# KiCad board W1-AT PCB.kicad_pcb (continued)
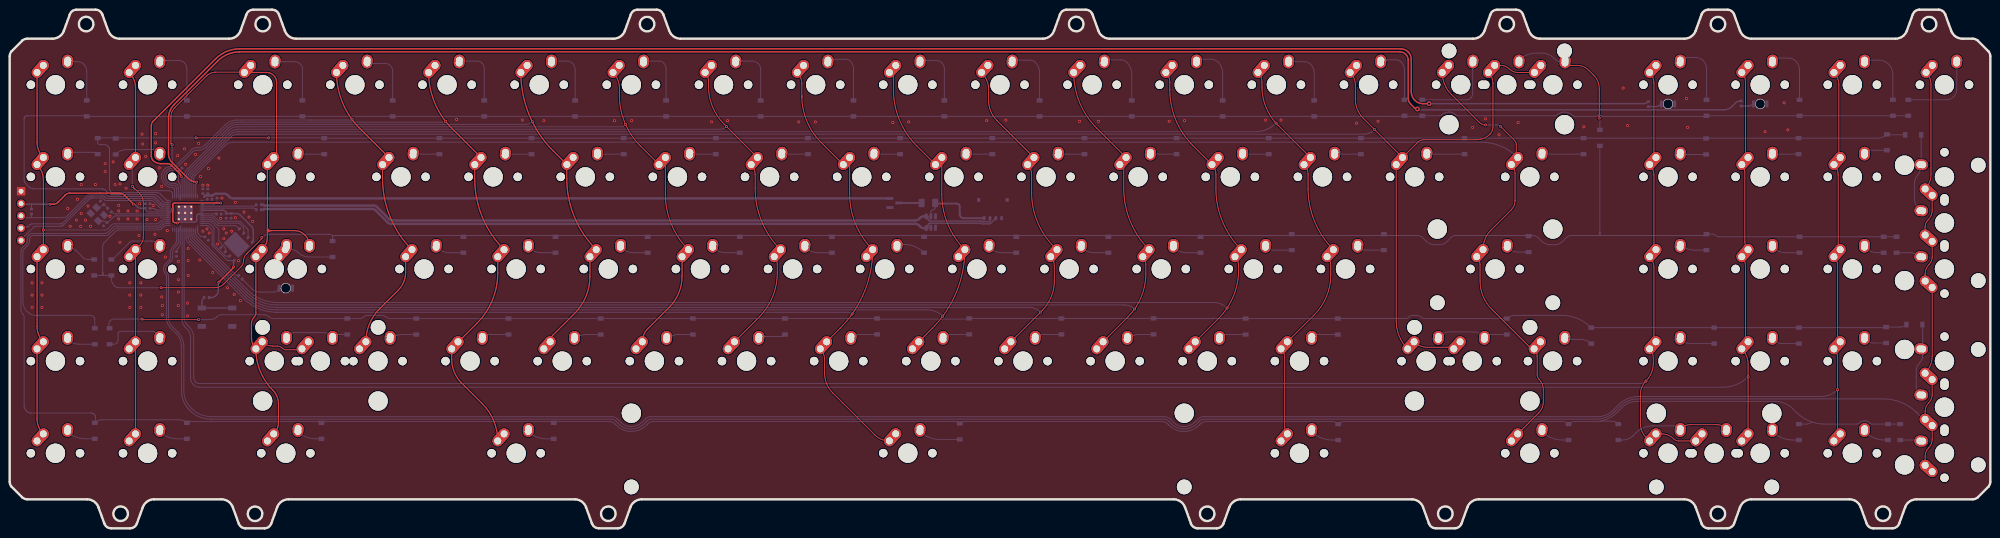
[diagram p0: board, top side]
## Nets
+1V1: C3.1 C6.1 C8.1 U4.23 U4.45 U4.50
+3.3V: C4.1 C5.1 C7.1 C9.1 C10.1 C11.1 C12.1 C13.1 C14.1 J2.2 R6.1 U1.2 U2.8 U4.1 U4.10 U4.22 U4.33 U4.42 U4.43 U4.44 U4.48 U4.49
+5V: F2.1 U1.3
GND: C1.1 C2.1 C3.2 C4.2 C5.2 C6.2 C7.2 C8.2 C9.2 C10.2 C11.2 C12.2 C13.2 C14.2 D92.2 D93.2 D94.2 J2.1 J3.4 SW1.1 U1.1 U2.4 U3.2 U4.19 U4.57 Y1.2 Y1.4
VBUS: F2.2 J3.1 U3.5
/USB_DN: R5.2 U4.46
/USB_DP: R4.2 U4.47
/X_OUT: C2.2 R1.1 Y1.1
CAPSLED: R2.2 U4.2
COL0: SW2.1 SW3.1 SW4.1 SW5.1 SW6.1 U4.18
COL1: SW7.1 SW8.1 SW9.1 SW10.1 SW11.1 U4.29
COL2: SW12.1 SW13.1 SW14.2 SW15.1 SW16.1 SW89.1 SW90.1 U4.30
COL3: SW17.1 SW18.1 SW19.1 SW20.1 U4.31
COL4: SW21.1 SW22.1 SW23.1 SW24.1 SW25.1 U4.32
COL5: SW26.1 SW27.1 SW28.1 SW29.1 U4.35
COL6: SW30.1 SW31.1 SW32.1 SW33.1 U4.36
COL7: SW34.1 SW35.1 SW36.1 SW37.1 U4.37
COL8: SW38.1 SW39.1 SW40.1 SW41.1 SW42.1 U4.7
COL9: SW43.1 SW44.1 SW45.1 SW46.1 U4.6
COL10: SW47.1 SW48.1 SW49.1 SW50.1 U4.5
COL11: SW51.1 SW52.1 SW53.1 SW54.1 U4.4
COL12: SW55.1 SW56.1 SW57.1 SW58.1 U4.3
COL13: SW59.1 SW60.1 SW61.1 SW62.1 SW63.1 U4.38
COL14: SW64.1 SW65.1 SW66.1 SW68.1 SW92.1 SW99.1 U4.39
COL15: SW69.1 SW70.1 SW71.1 SW72.1 SW73.1 U4.40
COL16: SW67.1 SW91.1 SW93.1 SW96.1 SW97.1 SW98.1 U4.8
COL17: SW74.1 SW75.1 SW76.1 SW77.1 SW83.1 U4.9
COL18: SW79.1 SW80.1 SW81.1 SW82.1 SW88.1 U4.11
COL19: SW78.1 SW84.1 SW85.1 SW86.1 SW87.1 SW94.1 SW95.1 U4.12
D+: J3.3 R4.1 U3.3
D-: J3.2 R5.1 U3.4
NUMLED1: R3.2 U4.34
NUMLED2: R8.2 U4.41
QSPI_SCLK: U2.6 U4.52
QSPI_SD0: U2.5 U4.53
QSPI_SD1: U2.2 U4.55
QSPI_SD2: U2.3 U4.54
QSPI_SD3: U2.7 U4.51
QSPI_SS: R7.1 U2.1 U4.56
RESET: J2.3 R6.2 U4.26
ROW0: D1.1 D6.1 D11.1 D16.1 D21.1 D25.1 D29.1 D33.1 D38.1 D42.1 D46.1 D50.1 D54.1 D58.1 D63.1 D67.1 D68.1 D73.1 D78.1 D83.1 U4.27
ROW1: D2.1 D7.1 D12.1 D17.1 D22.1 D26.1 D30.1 D34.1 D39.1 D43.1 D47.1 D51.1 D55.1 D59.1 D64.1 D69.1 D74.1 D79.1 D84.1 D88.1 U4.28
ROW2: D3.1 D8.1 D13.1 D18.1 D23.1 D27.1 D31.1 D35.1 D40.1 D44.1 D48.1 D52.1 D56.1 D60.1 D65.1 D70.1 D75.1 D80.1 D85.1 D89.1 U4.15
ROW3: D4.1 D9.1 D14.1 D19.1 D24.1 D28.1 D32.1 D36.1 D41.1 D45.1 D49.1 D53.1 D57.1 D61.1 D66.1 D71.1 D76.1 D81.1 D86.1 D90.1 U4.16
ROW4: D5.1 D10.1 D15.1 D20.1 D37.1 D62.1 D72.1 D77.1 D82.1 D87.1 D91.1 U4.17
SWCLK: J2.5 U4.24
SWD: J2.4 U4.25
XIN: C1.2 U4.20 Y1.3
XOUT: R1.2 U4.21
Net-(D1-A): D1.2 SW2.2
Net-(D2-A): D2.2 SW3.2
Net-(D3-A): D3.2 SW4.2
Net-(D4-A): D4.2 SW5.2
Net-(D5-A): D5.2 SW6.2
Net-(D6-A): D6.2 SW7.2
Net-(D7-A): D7.2 SW8.2
Net-(D8-A): D8.2 SW9.2
Net-(D9-A): D9.2 SW10.2
Net-(D10-A): D10.2 SW11.2
Net-(D11-A): D11.2 SW12.2
Net-(D12-A): D12.2 SW13.2
Net-(D13-A): D13.2 SW14.1 SW89.2
Net-(D14-A): D14.2 SW15.2 SW90.2
Net-(D15-A): D15.2 SW16.2
Net-(D16-A): D16.2 SW17.2
Net-(D17-A): D17.2 SW18.2
Net-(D18-A): D18.2 SW19.2
Net-(D19-A): D19.2 SW20.2
Net-(D20-A): D20.2 SW21.2
Net-(D21-A): D21.2 SW22.2
Net-(D22-A): D22.2 SW23.2
Net-(D23-A): D23.2 SW24.2
Net-(D24-A): D24.2 SW25.2
Net-(D25-A): D25.2 SW26.2
Net-(D26-A): D26.2 SW27.2
Net-(D27-A): D27.2 SW28.2
Net-(D28-A): D28.2 SW29.2
Net-(D29-A): D29.2 SW30.2
Net-(D30-A): D30.2 SW31.2
Net-(D31-A): D31.2 SW32.2
Net-(D32-A): D32.2 SW33.2
Net-(D33-A): D33.2 SW34.2
Net-(D34-A): D34.2 SW35.2
Net-(D35-A): D35.2 SW36.2
Net-(D36-A): D36.2 SW37.2
Net-(D37-A): D37.2 SW38.2
Net-(D38-A): D38.2 SW39.2
Net-(D39-A): D39.2 SW40.2
Net-(D40-A): D40.2 SW41.2
Net-(D41-A): D41.2 SW42.2
Net-(D42-A): D42.2 SW43.2
Net-(D43-A): D43.2 SW44.2
Net-(D44-A): D44.2 SW45.2
Net-(D45-A): D45.2 SW46.2
Net-(D46-A): D46.2 SW47.2
Net-(D47-A): D47.2 SW48.2
Net-(D48-A): D48.2 SW49.2
Net-(D49-A): D49.2 SW50.2
Net-(D50-A): D50.2 SW51.2
Net-(D51-A): D51.2 SW52.2
Net-(D52-A): D52.2 SW53.2
Net-(D53-A): D53.2 SW54.2
Net-(D54-A): D54.2 SW55.2
Net-(D55-A): D55.2 SW56.2
Net-(D56-A): D56.2 SW57.2
Net-(D57-A): D57.2 SW58.2
Net-(D58-A): D58.2 SW59.2
Net-(D59-A): D59.2 SW60.2
Net-(D60-A): D60.2 SW61.2
Net-(D61-A): D61.2 SW62.2
Net-(D62-A): D62.2 SW63.2
Net-(D63-A): D63.2 SW64.2
Net-(D64-A): D64.2 SW65.2
Net-(D65-A): D65.2 SW66.2 SW99.2
Net-(D66-A): D66.2 SW68.2 SW92.2
Net-(D67-A): D67.2 SW67.2
Net-(D68-A): D68.2 SW69.2
Net-(D69-A): D69.2 SW70.2
Net-(D70-A): D70.2 SW71.2
Net-(D71-A): D71.2 SW72.2
Net-(D72-A): D72.2 SW73.2
Net-(D73-A): D73.2 SW74.2
Net-(D74-A): D74.2 SW75.2
Net-(D75-A): D75.2 SW76.2
Net-(D76-A): D76.2 SW77.2
Net-(D77-A): D77.2 SW83.2
Net-(D78-A): D78.2 SW79.2
Net-(D79-A): D79.2 SW80.2
Net-(D80-A): D80.2 SW81.2
Net-(D81-A): D81.2 SW82.2
Net-(D82-A): D82.2 SW88.2
Net-(D83-A): D83.2 SW84.2
Net-(D84-A): D84.2 SW85.2 SW94.2
Net-(D85-A): D85.2 SW86.2
Net-(D86-A): D86.2 SW87.2 SW95.2
Net-(D87-A): D87.2 SW78.2
Net-(D88-A): D88.2 SW91.2
Net-(D89-A): D89.2 SW93.2
Net-(D90-A): D90.2 SW96.2
Net-(D91-A): D91.2 SW97.2 SW98.2
Net-(D92-A): D92.1 R2.1
Net-(D93-A): D93.1 R3.1
Net-(D94-A): D94.1 R8.1
Net-(R7-Pad2): R7.2 SW1.2

Pads without a net: J3 MP; U2 9; U3 1 6; U4 13 14

## Via types
v1: diameter 0.6, hole 0.3, Top to Bottom, 165 vias
v2: diameter 1, hole 0.5, Top to Bottom, 2 vias

## Routing (per net, layer and track width the routed paths; a pad name or vN(x,y) marks a point on that pad's centre or on a via; arc(x,y) is an arc through that point)
+1V1: length 32.5
  Top w0.3: v1(43.63,67.28) 34.15,67.28 arc(33.99,67.25) 33.85,67.15 33.81,67.12 arc(33.74,67.02) 33.72,66.9 33.72,66.07 arc(33.72,66.07) 33.72,66.07 33.72,66.02 v1(33.74,66) 33.72,65.99 33.72,65.69 arc(33.72,65.66) 33.72,65.63 33.72,63.65 arc(33.75,63.48) 33.85,63.34 arc(33.99,63.25) 34.15,63.22 34.46,63.22 arc(34.57,63.19) v1(34.66,63.13)
  Bottom w0.2: U4.23 30.33,65.82 arc(30.24,65.83) 30.16,65.88 30,66.05 arc(29.9,66.11) 29.78,66.14 29.09,66.14 arc(29.05,66.14) C8.1 ; U4.45 42.09,67.02 arc(42.51,67.1) C3.1 ; U4.50 42.36,65.02 arc(42.49,65.04) 42.61,65.12
  Bottom w0.3: v1(34.66,63.13) 34.66,63.14 34.84,63.32 38.18,63.32 arc(38.38,63.36) 38.55,63.47 arc(38.64,63.61) 38.67,63.78 38.67,64.56 arc(38.71,64.73) 38.8,64.87 arc(38.97,64.98) 39.16,65.02 U4.50 ; 43.5,67.28 v1(43.63,67.28) 43,67.28 arc(42.93,67.29) C3.1 ; v1(33.74,66) arc(33.53,65.87) 33.28,65.82
+3.3V: length 207
  Top w0.3: v1(25.59,67.03) 23.79,68.83 arc(23.25,69.19) 22.62,69.31 12.42,69.31 arc(11.92,69.21) 11.5,68.93 9.95,67.39 arc(9.55,67.12) 9.08,67.03 v1(8.32,67.03)
  Bottom w0.2: C13.1 28.01,66.04 arc(28.03,65.89) 28.11,65.78 28.26,65.63 arc(28.5,65.47) 28.77,65.42 U4.22 33.37,65.42 arc(33.42,65.41) 33.47,65.37 ; 4.51,67.03 R6.1 ; C10.1 arc(34.56,57.6) 34.77,57.92 34.86,58.01 arc(35.16,58.45) 35.26,58.97 U4.10 35.26,62.31 arc(35.29,62.46) 35.37,62.58 ; 35.24,67.91 arc(35.26,67.93) 35.26,67.95 U4.33 35.26,70.82 arc(35.19,71.17) 34.99,71.47 arc(34.9,71.61) 34.86,71.78 34.86,73.7 arc(34.87,73.75) C12.1 ; C4.1 arc(40.32,60.28) 40.27,60.29 39.69,60.29 arc(39.57,60.32) 39.47,60.38 39.05,60.8 arc(38.91,61.02) 38.86,61.27 U4.1 38.86,62.44 arc(38.84,62.51) 38.8,62.58
  Bottom w0.3: v1(8.32,67.03) 2.66,67.03 arc(2.49,67.06) 2.35,67.15 ; 39.7,65.77 44,65.77 44.01,65.76 44.03,65.76 arc(44.36,65.69) 44.64,65.5 arc(44.74,65.36) 44.77,65.2 C11.1 C14.1 47.02,65.09 arc(47.31,65.03) 47.56,64.87 50,62.43 arc(50.26,62.03) 50.36,61.56 50.36,59.62 arc(50.31,59.4) U2.8 ; C13.1 26.96,66.19 arc(26.7,66.24) 26.48,66.39 26.03,66.85 arc(25.83,66.98) v1(25.59,67.03)
  Bottom w0.5: U1.2 46.18,68.23 arc(45.76,68.31) 45.4,68.55 45.04,68.92 arc(44.74,69.11) 44.39,69.18 42.72,69.18 arc(42.38,69.12) 42.1,68.93 arc(41.96,68.84) 41.8,68.8 40.45,68.8 40.2,68.55
+5V: length 4.7
  Bottom w0.4: F2.1 U1.3
GND: length 1.8
  Bottom w0.2: 36.76,64.25 36.74,64.24 ; U4.19 31.2,64.22 ; 43.75,65.09 43.68,65.02
  vias: v1(4.64,50.77) v1(4.64,48.23) v1(4.64,45.69) v1(6.67,50.77) v1(6.67,48.23) v1(6.67,45.69) v1(12,66.14) v1(12.51,62.45) v1(13.78,63.72) v1(14.04,68.04) v1(14.67,62.45) v1(14.8,71.09) v1(14.8,65.12) v1(15.69,63.72) v1(16.19,66.64) v1(16.7,62.45) v1(17.72,71.09) v1(19.75,75.41) v1(19.75,73.76) v1(20.72,64.53) v1(21.4,75.79) v1(21.78,71.09) v1(22.54,66.77) v1(22.54,65.63) v1(22.54,63.98) v1(22.8,71.22) v1(22.8,59.15) v1(24.07,70.33) v1(24.45,65.63) v1(24.45,63.98) v1(24.83,50.77) v1(24.83,48.23) v1(24.83,45.69) v1(26.35,65.63) v1(26.35,63.98) v1(26.74,60.55) v1(26.86,67.15) v1(27.12,50.77) v1(27.12,48.23) v1(27.12,45.69) v1(27.37,81.5) v1(27.5,79.47) v1(28.13,76.93) v1(28.39,63.85) v1(29.66,66.77) v1(30.04,60.8) v1(30.16,81.63) v1(30.16,79.73) v1(30.16,63.85) v1(30.93,74.52) v1(31.43,70.71) v1(31.43,47.85) v1(31.56,46.07) v1(31.56,44.17) v1(32.2,56.1) v1(32.58,61.56) v1(34.74,77.06) v1(34.86,55.21) v1(34.86,51.4) v1(34.86,48.86) v1(34.86,46.07) v1(36.13,78.46) v1(36.39,75.28) v1(36.77,46.58) v1(36.77,43.91) v1(36.9,57.88) v1(36.9,55.34) v1(36.9,52.29) v1(38.42,77.31) v1(39.05,79.6) v1(39.31,55.47) v1(39.44,72.74) v1(39.94,70.96) v1(39.94,61.44) v1(40.79,61.9) v1(40.96,70.96) v1(41.09,74.39) v1(41.25,61.07) v1(41.98,52.93) v1(42.99,58.77) v1(43.25,76.55) v1(43.63,64.1) v1(43.88,68.3) v1(44.26,61.95) v1(44.26,59.91) v1(44.77,61.06) v1(45.02,49.75) v1(45.91,61.44) v1(46.42,48.36) v1(46.67,67.41) v1(46.67,64.23) v1(47.31,55.34) v1(47.69,47.09) v1(48.45,65.37) v1(49.47,64.36) v1(50.23,63.47) v1(92.39,84.55) v1(105.98,84.42) v1(110.43,84.3) v1(125.03,84.3) v1(128.59,84.3) v1(145.1,84.04) v1(148.4,84.3) v1(163.13,84.04) v1(166.56,84.04) v1(182.56,83.92) v1(185.87,84.04) v1(202,84.3) v1(205.93,84.42) v1(221.17,84.17) v1(225.11,84.17) v1(239.71,84.17) v1(242.89,84.3) v1(259.65,84.42) v1(262.83,84.42) v1(278.45,83.79) v1(282.89,84.17) v1(302.45,82.9) v1(305.12,84.68) v1(307.91,81.38) v1(311.85,83.92) v1(325.44,83.03) v1(333.57,91.03) v1(334.46,83.28) v1(346.65,88.87) v1(346.9,82.9) v1(362.9,82.01) v1(366.84,87.98) v1(367.6,82.39)
VBUS: length 15.9
  Bottom w0.2: U3.5 190.44,65.45 arc(190.47,65.62) 190.57,65.76 arc(190.71,65.85) 190.87,65.88 190.95,65.88 arc(191.06,65.91) 191.16,65.97 191.2,66.01 arc(191.3,66.15) 191.33,66.32 F2.2
  Bottom w0.4: J3.1 197.2,64.13 arc(196.91,64.19) 196.66,64.36 arc(196.47,64.64) 196.41,64.97 196.41,66.59 arc(196.37,66.76) 196.28,66.9 196.21,66.97 arc(196.01,67.11) 195.77,67.15 191.64,67.15 arc(191.47,67.19) F2.2
/USB_DN: length 11.4
  Bottom w0.2: R5.2 50.93,66.84 arc(50.68,66.67) 50.39,66.62 U4.46
/USB_DP: length 11.4
  Bottom w0.2: U4.47 50.39,66.22 arc(50.64,66.17) 50.85,66.03 R4.2
/X_OUT: length 2.9
  Bottom w0.2: R1.1 C2.2 19.41,66.93 arc(18.74,66.49) Y1.1
CAPSLED: length 13.4
  Bottom w0.2: U4.2 38.46,60.94 arc(38.52,60.66) 38.67,60.42 46.46,52.63 arc(46.86,52.37) R2.2
COL0: length 98.3
  Top w0.25: SW2.1 5.65,79.84 arc(5.99,78.13) SW3.1 ; SW4.1 v1(6.96,61.69) 6.96,72.05 arc(6.62,73.77) SW3.1 ; SW5.1 5.65,22.69 arc(5.99,20.98) SW6.1 ; SW4.1 5.65,41.74 arc(5.99,40.03) SW5.1
  Bottom w0.2: v1(6.96,61.69) 19.59,61.69 arc(19.97,61.77) 20.3,61.98 20.98,62.67 arc(21.31,62.89) 21.69,62.96 30.26,62.96 arc(30.64,63.04) 30.97,63.25 31.23,63.52 arc(31.56,63.74) 31.94,63.82 U4.18
COL1: length 84.7
  Top w0.2: v1(25.4,70.71) 26.84,69.27 arc(27.42,68.4) 27.62,67.37 27.62,60.17 arc(27.45,59.31) 26.97,58.58 SW9.1
  Top w0.25: SW9.1 SW10.1 SW11.1 ; SW8.1 26.01,91.1 arc(25.67,92.82) SW7.1
  Bottom w0.2: U4.29 33.66,69.1 arc(33.61,69.35) 33.47,69.57 arc(33.19,69.75) 32.85,69.82 26.64,69.82 arc(26.14,69.92) 25.72,70.2 25.7,70.22 arc(25.43,70.62) 25.34,71.09 25.34,73.68 arc(25.17,74.51) SW8.1
COL2: length 140.3
  Top w0.2: v1(33.59,79.34) 33.34,79.6 33.34,85.06 arc(33.55,86.12) 34.15,87.01 40.66,93.52 arc(41.55,94.12) 42.61,94.33 48.36,94.33 arc(48.45,94.31) SW12.1 ; SW90.1 arc(53.19,37.92) 54.35,37.69 55.31,37.69 arc(55.9,37.57) 56.39,37.24 56.45,37.18 arc(56.73,36.99) 57.07,36.93 59.96,36.93 arc(60.21,36.98) SW15.1
  Top w0.25: 53.28,61.56 54.04,61.56 ; 53.28,61.56 53.28,61.95 ; 53.28,61.56 53.28,60.21 arc(53,58.81) SW89.1 ; 54.04,61.56 58.88,61.56 arc(60.04,61.33) 61.03,60.68 arc(61.72,59.63) 61.97,58.4 SW14.2 ; 54.04,61.56 arc(53.69,61.49) 53.39,61.3 53.28,61.18 ; 54.04,61.56 arc(53.69,61.64) 53.39,61.83 53.28,61.95 ; 53.28,61.95 SW13.1 ; SW89.1 50.9,44.47 arc(50.82,44.1) 50.61,43.78 arc(50.14,43.08) 49.98,42.25 49.98,39.34 arc(50.22,38.14) SW90.1 50.9,37.05 arc(51.81,32.45) 54.42,28.54 arc(55.27,27.28) 55.56,25.79 55.56,21.88 arc(55.31,20.61) SW16.1 ; SW12.1 53.14,94.27 arc(54.58,93.67) 55.18,92.22 55.18,77.27 arc(55.01,76.85) SW13.1
  Bottom w0.2: v1(33.59,79.34) 33.57,79.32 33.57,78.97 arc(33.59,78.85) 33.59,78.73 33.59,75.21 arc(33.56,75.04) 33.47,74.9 arc(33.33,74.81) 33.16,74.77 33.09,74.77 arc(32.58,74.67) 32.16,74.39 31.89,74.12 arc(31.49,73.53) 31.35,72.82 ; U4.30 34.06,70.12 arc(34.04,70.23) 33.97,70.33 arc(33.83,70.42) 33.67,70.45 33.6,70.45 arc(32.77,70.62) 32.07,71.09 arc(31.54,71.88) 31.35,72.82
COL3: length 110.5
  Top w0.25: SW18.1 72.34,82.74 arc(68.81,88.03) SW17.1 ; SW18.1 77.09,72.29 arc(78.67,64.35) SW19.1 ; SW19.1 81.85,52.93 arc(81.46,50.93) 80.33,49.25 76.45,45.37 arc(74.37,42.25) SW20.1
  Bottom w0.2: 33.91,70.94 33.42,70.94 arc(32.9,71.05) 32.45,71.34 32.35,71.44 arc(31.96,72.04) 31.82,72.74 arc(31.93,73.33) 32.26,73.83 32.45,74.01 arc(32.87,74.29) 33.37,74.39 arc(33.69,74.46) 33.97,74.64 37.66,78.33 arc(38.08,78.61) 38.58,78.71 39.05,78.71 arc(39.76,78.85) 40.36,79.25 44.54,83.44 arc(45.64,84.17) 46.93,84.42 47.94,84.42 47.96,84.44 62.14,84.44 arc(62.15,84.43) 62.17,84.42 70.41,84.42 arc(70.62,84.47) v1(70.8,84.59) ; U4.31 34.46,70.38 arc(34.42,70.59) 34.3,70.77 ; 34.27,70.8 arc(34.1,70.91) 33.91,70.94
COL4: length 153.4
  Top w0.25: SW24.1 100.9,52.81 arc(99.78,47.17) 96.59,42.39 91.42,37.23 arc(91.39,37.18) SW25.1 91.38,34.97 arc(91.91,32.32) 93.41,30.07 97.72,25.76 arc(100.07,22.23) SW21.1 ; SW23.1 91.39,82.74 arc(87.86,88.03) SW22.1 ; SW23.1 96.14,72.29 arc(97.72,64.35) SW24.1
  Bottom w0.2: v1(90.11,84.18) 89.93,83.99 47.06,83.99 arc(45.83,83.74) 44.79,83.05 40.58,78.84 arc(39.88,78.37) 39.05,78.2 38.67,78.2 arc(38.2,78.11) 37.81,77.84 34.1,74.14 arc(33.96,74.04) 33.79,74.01 33.59,74.01 arc(33.07,73.91) 32.63,73.61 32.58,73.56 arc(32.35,73.22) 32.27,72.81 32.27,72.64 arc(32.37,72.15) 32.65,71.72 32.67,71.7 arc(33.07,71.44) 33.54,71.34 34,71.34 ; U4.32 34.86,70.48 ; 34.86,70.48 arc(34.8,70.81) 34.61,71.09 arc(34.33,71.28) 34,71.34
COL5: length 142.7
  Top w0.25: SW28.1 119.95,52.09 arc(119.13,47.94) 116.78,44.42 112.31,39.95 arc(111.89,39.32) SW29.1 ; SW28.1 arc(116.75,64.38) 115.17,72.34 115.17,75.2 SW27.1 112.4,78.01 arc(107.42,85.47) SW26.1
  Bottom w0.2: 41.92,79.5 36.74,74.32 arc(36.24,73.56) 36.06,72.67 U4.35 ; 41.92,79.5 41.92,79.53 ; 41.92,79.5 45.23,82.81 arc(46.04,83.35) 46.99,83.54 106.74,83.54 arc(107.45,83.68) v1(108.05,84.08)
COL6: length 162.6
  Top w0.2: SW31.1 135.55,69.13 arc(136.79,62.9) SW32.1 ; SW31.1 130.36,79.1 arc(127.17,83.87) 126.05,89.5 126.05,91.05 arc(125.7,92.79) SW30.1
  Top w0.25: SW32.1 139,52.13 arc(138.31,48.64) 136.34,45.69 131.89,41.25 arc(131.08,40.02) SW33.1
  Bottom w0.2: v1(127.32,83.53) 126.81,83.03 47.04,83.03 arc(46.12,82.84) 45.33,82.32 37.01,73.99 arc(36.6,73.39) 36.46,72.68 U4.36
COL7: length 181.3
  Top w0.2: SW37.1 154.89,43.63 arc(157.7,47.84) 158.69,52.8 158.69,54.63 arc(158.52,55.46) SW36.1 ; SW35.1 v1(148.2,83.08) 147.71,83.56 arc(145.31,87.16) 144.46,91.41 144.46,92.58 arc(144.28,93.49) SW34.1 ; SW36.1 arc(155.48,63.44) 154.12,70.29 154.12,73.22 arc(153.9,74.3) SW35.1
  Bottom w0.2: U4.37 36.86,72.63 arc(36.97,73.17) 37.28,73.63 45.42,81.77 arc(46.25,82.33) 47.22,82.52 146.85,82.52 arc(147.58,82.67) v1(148.2,83.08)
COL8: length 236.3
  Top w0.2: 163.77,89.38 163.77,91.97 arc(163.52,93.21) SW39.1 ; 163.77,89.38 163.77,89.13 arc(163.77,89.13) 163.77,89.12 ; 163.77,89.38 arc(164.8,84.22) 167.72,79.84 SW40.1 ; SW40.1 173.65,69.13 arc(174.89,62.9) SW41.1 arc(176.66,48.83) 171.68,41.37 SW42.1 ; 181.87,18.07 arc(180.22,18.39) 178.83,19.32 170.17,27.98 arc(168.91,29.87) 168.47,32.1 168.47,34.97 arc(168.24,36.13) SW42.1
  Bottom w0.2: 55.06,44.67 55.31,44.67 ; 55.31,44.67 55.17,44.67 arc(51.55,45.4) 48.47,47.45 36.9,59.02 arc(36.57,59.51) 36.46,60.08 U4.7 ; 55.31,44.67 173.29,44.67 arc(173.76,44.58) v1(174.16,44.31)
COL9: length 229.9
  Top w0.2: SW44.1 192.7,69.13 arc(193.94,62.9) SW45.1 arc(195.71,48.83) 190.73,41.37 SW46.1 ; SW44.1 187.54,79.07 arc(183.95,84.44) 182.69,90.77 182.69,94.56 arc(182.82,95.19) SW43.1
  Bottom w0.2: U4.6 36.86,60.3 arc(36.97,59.74) 37.29,59.27 37.4,59.15 37.41,59.15 48.74,47.82 arc(51.66,45.87) 55.11,45.18 189.73,45.18 arc(191.44,44.84) v1(192.89,43.87)
COL10: length 245.7
  Top w0.2: SW49.1 215.91,58.23 arc(212.47,63.37) 211.27,69.44 211.27,73.22 arc(211.05,74.3) SW48.1 ; SW50.1 v1(213.13,44.72) 213.42,45.01 arc(215.3,47.83) 215.97,51.15 215.97,54.33 arc(215.77,55.32) SW49.1 ; 202.38,88.37 202.38,90.74 arc(202,92.65) SW47.1 ; 202.38,88.37 202.38,88.49 arc(202.82,86.24) 204.1,84.33 SW48.1 ; 202.38,88.37 arc(202.38,88.36) 202.38,88.36
  Bottom w0.2: U4.5 37.26,60.49 arc(37.36,59.97) 37.66,59.53 48.95,48.24 arc(51.78,46.35) 55.11,45.69 210.78,45.69 arc(212.05,45.44) v1(213.13,44.72)
COL11: length 264.9
  Top w0.2: SW54.1 231.18,43.72 arc(233.92,47.83) 234.89,52.67 234.89,54.63 arc(234.72,55.46) SW53.1 ; SW53.1 arc(231.68,63.44) 230.32,70.29 230.32,75.51 arc(230.44,76.14) SW52.1 224.74,82.74 arc(221.21,88.03) SW51.1
  Bottom w0.2: U4.4 37.66,60.7 arc(37.76,60.21) 38.04,59.79 49.09,48.74 arc(51.9,46.86) 55.22,46.2 230.52,46.2 arc(231.62,45.98) v1(232.56,45.35)
COL12: length 282.9
  Top w0.2: SW58.1 249.91,43.39 arc(252.98,48) 254.07,53.44 254.07,54.33 arc(253.87,55.32) SW57.1 ; SW57.1 arc(250.73,63.44) 249.37,70.29 249.37,73.22 arc(249.15,74.3) SW56.1 244.6,79.16 arc(241.08,84.43) 239.84,90.65 239.84,92.27 arc(239.63,93.35) SW55.1
  Bottom w0.2: U4.3 38.06,60.73 arc(38.12,60.42) 38.29,60.17 49.24,49.22 arc(52.03,47.36) 55.31,46.71 248.87,46.71 arc(250.38,46.4) v1(251.67,45.54)
COL13: length 314.2
  Top w0.2: SW60.1 267.61,75.2 arc(268.21,74.3) 268.42,73.25 268.42,70.29 arc(269.78,63.44) SW61.1 ; SW60.1 262.14,83.44 arc(259.74,87.04) 258.89,91.28 258.89,92.27 arc(258.68,93.35) SW59.1 ; SW62.1 269.67,44.11 arc(272.22,47.92) 273.12,52.42 273.12,54.33 arc(272.92,55.32) SW61.1 ; SW62.1 arc(263.39,36.27) 263.59,35.28 263.59,19.91 arc(263.39,18.91) SW63.1
  Bottom w0.2: v1(261.81,83.79) 261.64,83.62 261.28,83.31 260.89,83.03 260.49,82.78 260.06,82.57 259.62,82.38 259.17,82.24 258.71,82.13 258.24,82.05 257.76,82.01 257.53,82.01 47.44,82.01 47.28,82.01 47.01,82.01 arc(46.28,81.87) 45.67,81.45 37.58,73.37 arc(37.34,73.01) 37.26,72.59 U4.38
COL14: length 364.6
  Top w0.2: SW99.1 311.76,94.27 arc(310.85,94.45) 310.07,94.97 arc(309.23,95.53) 308.23,95.73 SW66.1 ; SW65.1 286.64,42.87 arc(287.26,39.76) SW92.1 ; SW66.1 305.75,94.21 arc(306.41,93.22) 306.64,92.04 306.64,83.04 arc(306.48,82.21) 306.01,81.5 arc(304.74,80.66) 303.25,80.36 292.29,80.36 arc(291.68,80.24) 291.17,79.9 SW65.1 v1(282.18,82.44) 279.83,84.8 arc(278.62,86.61) 278.2,88.74 278.2,91.66 arc(277.91,93.07) SW64.1 ; SW92.1 arc(291.6,37.73) 293.09,37.43 297.1,37.43 arc(298.59,37.73) SW68.1
  Bottom w0.2: 37.94,73.16 37.88,73.09 37.77,72.93 37.7,72.75 37.66,72.56 arc(37.66,72.56) 37.66,72.56 37.66,72.18 37.66,72.09 U4.39 ; v1(282.18,82.44) 282.05,82.32 281.77,82.09 281.47,81.9 281.14,81.75 280.8,81.63 280.45,81.55 280.09,81.51 279.91,81.5 47.52,81.5 47.39,81.5 47.13,81.5 arc(46.34,81.35) 45.68,80.9 37.95,73.17
COL15: length 371.3
  Top w0.2: SW71.1 304.59,57.65 arc(305.02,59.84) 306.26,61.69 310.41,65.84 arc(311.01,66.73) 311.22,67.79 311.22,67.79 311.22,73.38 arc(311.02,74.37) SW70.1 ; SW73.1 316.11,23.88 arc(316.81,24.92) 317.06,26.16 317.06,28.68 arc(316.83,29.85) 316.17,30.83 arc(315.89,31.25) 315.79,31.75 315.79,35.58 arc(315.62,36.41) SW72.1 arc(314.62,37.22) 314.18,37.52 306.39,45.31 arc(304.6,47.98) 303.98,51.13 303.98,54.48 arc(303.79,55.39) SW71.1 ; v1(308.17,83.15) 311.11,80.21 arc(311.38,79.81) 311.47,79.34 311.47,77.39 arc(311.55,77) SW70.1 ; v1(305.12,83.41) arc(304.42,83.55) 303.82,83.95 298.05,89.71 arc(296.66,91.8) SW69.1
  Bottom w0.2: 38.38,73.04 44.56,79.22 arc(45.26,79.69) 46.09,79.85 134.71,79.85 134.79,79.85 304.1,79.85 304.42,79.85 305.08,79.81 305.73,79.73 306.37,79.61 307.01,79.46 307.63,79.26 308.25,79.03 308.84,78.76 309.42,78.46 309.99,78.12 310.52,77.75 311.04,77.34 311.53,76.91 SW70.1 ; 38.38,73.04 38.31,72.97 ; 38.38,73.04 38.28,72.94 arc(38.12,72.7) 38.06,72.41 38.06,71.98 38.06,71.98 U4.40 ; v1(305.12,83.41) 307.55,83.41 arc(307.89,83.34) v1(308.17,83.15)
COL16: length 415.2
  Top w0.2: SW98.1 341.53,19.53 arc(342.86,19.26) 343.98,18.51 arc(344.47,18.18) 345.05,18.07 SW97.1 ; SW98.1 338.34,18.76 arc(337.44,20.1) 337.12,21.69 337.12,27.69 arc(337.42,29.18) v1(338.27,30.45) arc(339.39,32.14) 339.79,34.13 339.79,35.28 arc(339.59,36.27) SW96.1 ; SW67.1 arc(339.69,93.28) 339.92,92.12 339.92,77.69 arc(340.03,77.14) SW91.1 ; SW96.1 arc(340.03,39.04) 339.92,39.59 339.92,54.02 arc(339.69,55.18) SW93.1 ; SW93.1 arc(340.03,58.09) 339.92,58.64 339.92,73.07 arc(339.69,74.23) SW91.1
  Bottom w0.2: U4.8 36.06,43.72 arc(36.24,42.79) 36.77,42.01 37.05,41.72 arc(37.78,40.63) 38.04,39.34 38.04,31.24 arc(38.14,30.75) 38.42,30.32 38.53,30.21 arc(38.83,30.01) 39.18,29.94 337.04,29.94 arc(337.7,30.07) v1(338.27,30.45)
COL17: length 428.1
  Top w0.2: 359.39,29.22 v1(359.39,31.34) 359.39,33.95 arc(359.05,35.67) SW77.1 arc(358.64,37.96) 358.84,38.96 358.84,54.33 arc(358.64,55.32) SW76.1 ; 359.39,29.14 SW83.1 ; SW74.1 arc(358.64,93.42) 358.84,92.43 358.84,78 arc(358.98,77.28) SW75.1 ; SW76.1 arc(358.89,58.38) 358.71,59.26 358.71,73.68 arc(358.55,74.51) SW75.1
  Bottom w0.2: U4.9 35.66,43.07 arc(35.82,42.29) 36.26,41.63 36.6,41.29 arc(37.19,40.4) 37.4,39.34 37.4,31.04 arc(37.54,30.38) 37.91,29.81 38.1,29.63 arc(38.59,29.3) 39.18,29.18 354.18,29.18 arc(357,29.74) v1(359.39,31.34)
COL18: length 456.8
  Top w0.2: SW81.1 arc(377.69,55.32) 377.89,54.33 377.89,39.9 arc(378.03,39.18) SW82.1 ; SW88.1 arc(378.03,20.13) 377.89,20.85 v1(377.89,28.67) 377.89,35.28 arc(377.69,36.27) SW82.1 ; SW79.1 arc(377.88,93.14) 378.14,91.81 378.14,77.39 arc(378.22,77) SW80.1 ; SW81.1 arc(378.13,58.09) 378.02,58.64 378.02,73.07 arc(377.79,74.23) SW80.1
  Bottom w0.2: 238.73,23.08 132.53,23.08 arc(131.94,22.97) 131.44,22.63 130.77,21.96 arc(129.76,21.29) 128.58,21.05 128.34,21.05 arc(127.28,21.26) 126.38,21.86 125.67,22.58 arc(125.11,22.95) 124.44,23.08 41.72,23.08 arc(39.49,23.53) 37.6,24.79 37.4,24.99 arc(36.37,26.54) 36.01,28.36 36.01,37.56 arc(35.68,39.2) 34.75,40.6 33.66,41.69 arc(33.05,42.6) 32.83,43.68 32.83,52.12 arc(32.76,52.5) 32.54,52.82 ; 34.86,61.2 U4.11 34.86,59.23 arc(34.78,58.85) 34.57,58.52 34.12,58.07 arc(33.81,57.61) 33.7,57.06 33.7,56 arc(33.62,55.62) 33.4,55.3 32.53,54.43 arc(32.32,54.1) 32.24,53.72 32.24,53.53 arc(32.32,53.15) 32.53,52.83 ; 246.81,23.08 328.31,23.08 arc(330,23.42) 331.43,24.38 332.56,25.51 arc(334.52,26.82) 336.83,27.27 374.52,27.27 arc(376.34,27.64) v1(377.89,28.67) ; 246.8,23.08 arc(246.21,22.97) 245.71,22.63 245.03,21.96 arc(244.03,21.29) 242.85,21.05 242.6,21.05 arc(241.55,21.26) 240.65,21.86 239.94,22.58 arc(239.37,22.95) 238.71,23.08
COL19: length 481.8
  Top w0.2: SW86.1 397.45,35.6 arc(397.07,33.69) SW95.1 ; SW86.1 395.99,52.59 arc(396.2,53.67) 396.81,54.58 arc(397.28,55.28) 397.45,56.11 SW85.1 ; SW87.1 397.45,18.45 arc(397.25,17.45) 396.69,16.61 arc(396.17,15.83) 395.99,14.92 SW78.1 ; SW85.1 395.99,62.35 arc(396.14,63.09) 396.56,63.72 arc(397.22,64.71) 397.45,65.87 SW94.1 ; SW95.1 397.45,27.72 arc(397.25,26.72) 396.69,25.88 arc(396.17,25.1) 395.99,24.19 SW87.1 ; SW94.1 arc(396.88,71.51) 397.19,73.09 397.19,91.81 arc(396.93,93.14) SW84.1
  Bottom w0.2: 394.05,24.12 394.3,23.87 ; 394.3,23.87 395.62,22.55 SW87.1 ; 394.3,23.87 arc(391.1,26.02) 387.32,26.77 336.62,26.77 arc(334.62,26.37) 332.93,25.24 331.82,24.13 arc(330.1,22.98) 328.07,22.58 246.95,22.58 arc(246.46,22.48) 246.03,22.19 245.55,21.71 arc(244.26,20.85) 242.73,20.54 arc(241.32,20.82) 240.13,21.62 239.56,22.19 arc(239.13,22.48) 238.64,22.58 132.68,22.58 arc(132.19,22.48) 131.76,22.19 131.28,21.71 arc(129.99,20.85) 128.46,20.54 arc(127.05,20.82) 125.86,21.62 125.29,22.19 arc(124.87,22.48) 124.37,22.58 41.76,22.58 arc(41.75,22.58) 41.74,22.58 41.49,22.58 arc(39.24,23.03) 37.33,24.3 37.15,24.48 36.98,24.66 36.66,25.03 36.38,25.44 36.13,25.86 35.93,26.31 35.76,26.77 35.63,27.25 35.54,27.73 35.5,28.22 35.5,28.47 35.5,37.56 35.5,37.74 35.49,37.82 arc(35.23,39.12) 34.49,40.22 33.21,41.5 arc(32.63,42.37) 32.43,43.39 32.43,44.67 32.43,44.67 32.43,51.94 32.43,51.94 32.43,52.17 32.4,52.29 32.36,52.38 32.32,52.42 arc(31.95,52.98) 31.82,53.65 31.82,53.69 arc(31.92,54.23) 32.23,54.69 32.91,55.37 arc(33.13,55.71) 33.21,56.1 33.21,56.87 arc(33.38,57.69) 33.84,58.38 34.23,58.77 arc(34.4,59.03) 34.46,59.33 U4.12
D+: length 154.7
  Bottom w0.3: J3.3 202.81,63.08 arc(202.68,62.99) 202.52,62.96 200.94,62.96 200.93,62.98 arc(200.8,63.06) 200.64,63.09 190.27,63.09 arc(190.11,63.06) 189.98,62.98 189.96,62.95 arc(189.87,62.82) 189.84,62.66 189.84,62.09 U3.3
  Bottom w0.5: R4.1 52.49,65.88 52.65,66.04 74.94,66.04 arc(75.33,65.96) 75.65,65.75 78.15,63.25 arc(78.48,63.03) 78.86,62.96 187.27,62.96 arc(187.66,62.88) 187.98,62.66 188.26,62.39 arc(188.58,62.17) 188.97,62.09 U3.3
D-: length 153.6
  Bottom w0.3: J3.2 202.67,63.57 202.5,63.41 201.13,63.41 201.11,63.43 arc(200.98,63.51) 200.83,63.54 190.32,63.54 arc(190.16,63.57) 190.03,63.66 189.96,63.74 arc(189.87,63.87) 189.84,64.02 189.84,64.52 U3.4
  Bottom w0.5: U3.4 188.97,64.52 arc(188.58,64.44) 188.26,64.23 187.98,63.95 arc(187.66,63.73) 187.27,63.66 79.15,63.66 arc(78.77,63.73) 78.44,63.95 75.94,66.45 arc(75.62,66.66) 75.23,66.74 52.65,66.74 52.49,66.9 R5.1
NUMLED1: length 344.1
  Top w0.3: v2(293.44,87.82) 292.14,87.82 arc(291.26,87.99) 290.51,88.49 arc(289.95,89.33) 289.75,90.33 289.75,97 arc(289.59,97.82) 289.12,98.52 289.12,98.52 arc(288.41,98.99) 287.58,99.16 47.56,99.16 arc(44.86,98.62) 42.58,97.09 29.66,84.17 arc(29.37,83.75) 29.28,83.25 29.28,76.96 arc(29.37,76.47) 29.66,76.04 arc(30.36,75.57) 31.19,75.41 32.7,75.41 arc(33.06,75.34) 33.35,75.14 35.26,73.23 arc(35.41,73.01) v1(35.46,72.74)
  Bottom w0.2: U4.34 35.66,72.27 arc(35.61,72.52) v1(35.46,72.74)
  Bottom w0.3: v2(293.44,87.82) 337.75,87.82 arc(338.31,87.93) R3.2
NUMLED2: length 361.1
  Top w0.3: v2(291.02,86.71) arc(290.67,86.78) 290.37,86.98 289.63,87.73 arc(289.25,88.29) 289.12,88.95 289.12,96.79 arc(288.99,97.45) 288.61,98.01 arc(288.05,98.39) 287.38,98.52 47.56,98.52 arc(45.1,98.03) 43.01,96.64 33.97,87.6 arc(33.13,86.33) 32.83,84.84 32.83,77.44 arc(33.02,76.5) 33.55,75.71 36.95,72.31 arc(37.73,71.78) v1(38.66,71.6)
  Bottom w0.2: U4.41 38.46,71.12 arc(38.51,71.38) v1(38.66,71.6)
  Bottom w0.3: R8.2 357.74,88.37 arc(357.23,88.27) 356.81,87.98 356.03,87.21 arc(355.28,86.7) 354.4,86.53 291.21,86.53 v2(291.02,86.71)
QSPI_SCLK: length 10.6
  Bottom w0.2: U2.6 48.39,61.97 arc(48.36,62.12) 48.27,62.25 47.55,62.97 arc(47.42,63.06) 47.27,63.09 43.12,63.09 42.11,64.1 arc(41.98,64.19) 41.83,64.22 U4.52
QSPI_SD0: length 8.5
  Bottom w0.2: U2.5 46.93,62.46 arc(46.8,62.55) 46.64,62.58 43.21,62.58 arc(43.06,62.61) 42.93,62.7 41.93,63.7 arc(41.8,63.79) 41.65,63.82 U4.53
QSPI_SD1: length 10.5
  Bottom w0.2: U2.2 44.75,56.29 arc(44.6,56.32) 44.47,56.4 42.35,58.52 arc(42.26,58.65) 42.23,58.81 42.23,61.91 arc(42.2,62.06) 42.11,62.19 41.4,62.9 arc(41.27,62.99) 41.12,63.02 U4.55
QSPI_SD2: length 9.3
  Bottom w0.2: U4.54 41.48,63.42 arc(41.64,63.39) 41.77,63.3 43.13,61.94 arc(43.22,61.81) 43.25,61.65 43.25,59.56 arc(43.28,59.41) 43.36,59.28 44.45,58.18 arc(44.54,58.06) 44.57,57.9 U2.3
QSPI_SD3: length 12.4
  Bottom w0.2: U4.51 41.99,64.62 arc(42.14,64.59) 42.27,64.5 43.17,63.61 arc(43.3,63.52) 43.45,63.49 47.44,63.49 arc(47.59,63.46) 47.72,63.37 49.17,61.92 arc(49.26,61.79) 49.29,61.64 U2.7
QSPI_SS: length 21.7
  Top w0.3: v1(43.25,50.9) 46.2,53.86 arc(46.27,53.95) v1(46.29,54.07)
  Bottom w0.2: U4.56 40.76,62.62 arc(40.91,62.59) 41.04,62.5 41.73,61.81 arc(41.82,61.68) 41.85,61.53 41.85,58.69 arc(41.88,58.54) 41.97,58.41 44.87,55.5 arc(45,55.42) 45.15,55.39 U2.1
  Bottom w0.3: v1(46.29,54.07) 46.29,55.21 arc(46.31,55.31) U2.1 ; R7.1 41.69,47.72 arc(42.19,47.82) 42.61,48.1 42.76,48.25 arc(43.03,48.65) 43.12,49.12 43.12,50.59 arc(43.15,50.76) v1(43.25,50.9)
RESET: length 33.9
  Bottom w0.2: U4.26 31.92,67.02 ; J2.3 2.5,64.47 arc(2.76,64.29) 3.06,64.23 4.38,64.23 ; 4.38,64.23 11.18,64.23 arc(11.48,64.29) 11.74,64.47 16.16,68.89 arc(16.42,69.06) 16.73,69.12 19.55,69.12 arc(19.86,69.06) 20.12,68.89 20.15,68.85 arc(20.41,68.68) 20.72,68.62 21.71,68.62 21.71,68.62 29.48,68.62 arc(29.48,68.62) 29.49,68.62 29.51,68.62 arc(29.58,68.61) 29.65,68.6 29.7,68.6 arc(29.77,68.58) 29.85,68.55 29.88,68.54 arc(29.95,68.5) 30.02,68.46 30.06,68.44 arc(30.11,68.39) 30.17,68.35 30.18,68.34 arc(30.19,68.33) 30.19,68.32 30.67,67.84 arc(30.68,67.84) 30.69,67.83 30.74,67.77 arc(30.75,67.77) 30.76,67.76 31.2,67.32 arc(31.21,67.31) 31.22,67.3 31.23,67.29 arc(31.28,67.24) 31.34,67.2 ; 4.38,64.23 arc(4.48,64.37) 4.51,64.54 R6.2 ; 31.38,67.18 arc(31.45,67.14) 31.52,67.1 31.55,67.09 arc(31.63,67.06) 31.7,67.04 ; 31.89,67.02 arc(31.82,67.02) 31.75,67.03
